# Altium PCB pcbfinal.PcbDoc (continued)
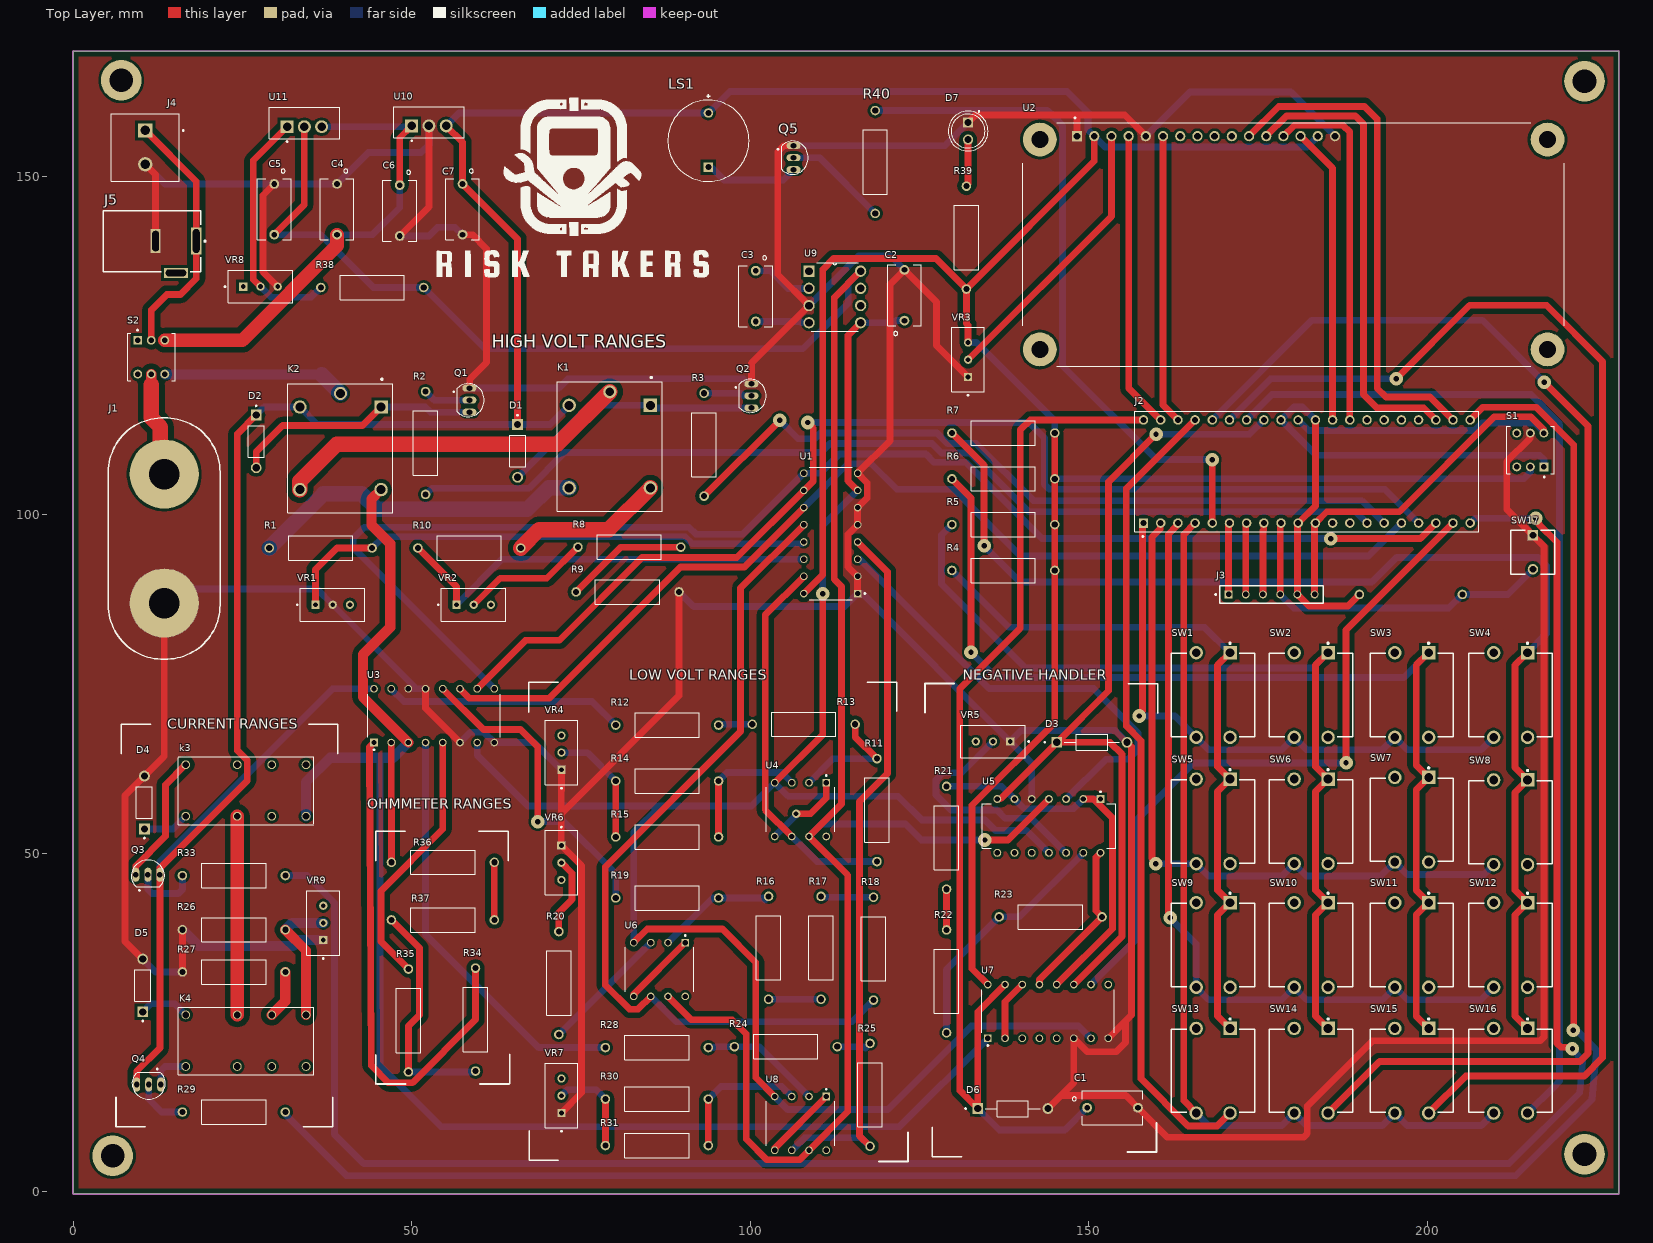
[diagram p0: Top Layer view]
## Footprints (in the part's own frame and the unit in brackets; to place one, negate y for a bottom-side part, rotate by r counter-clockwise, add the part's x,y. Pads: shape width x height; smd on the part's side, far side on the other; paste and mask are expansions set on the pad) (continued)
  oval 1.04x2.08 hole 0.84: 1(-1.778,0) 2(0,0) 3(1.778,0)
  silkscreen extent -2.48,-2.4 2.48,2.16, body extent -2.28,-1.55 2.28,2.28, height 20.44
TRIM_3296W1103LF [mm]
  rect 1.218x1.218 hole 0.71: 1(-2.54,0)
  round 1.218 hole 0.71: 2(0,0) 3(2.54,0)
  silkscreen extent -5.35,-2.41 4.76,2.42, body extent -4.76,-2.41 4.76,2.42, height 11.55
? [mm]
  round 10.206 hole 4.5 paste-2539.97 mask+0: 1(-9.525,0) 2(9.525,0)
  silkscreen extent -17.81,-8.26 17.81,8.26, body extent -17.88,-8.35 17.88,8.35, height 0.25

## Part data
C1 C2 C3 C4 C5 C6 C7: "Cap Ceramic 0.0033uF 250VAC E 20% (9 X 5mm) Radial 7.5mm 125Â°C Bulk", Package=None, Availability=Unavailable, MP=DE2E3KY332MA3BM02F, Price=None
D1 D2 D4 D5: "Diode Standard 1A 1000V 1Vf DO41", Package="DO-41 Diodes Inc.", Check_prices=https://www.snapeda.com/parts/1N4007-T/Diodes+Inc./view-part/?ref=eda, MF="Diodes Incorporated", MP=1N4007-T, SnapEDA_Link=https://www.snapeda.com/parts/1N4007-T/Diodes+Inc./view-part/?ref=snap
D3 D6: "Zener Diode 5.1 V 1 W Â±5% Through Hole DO-41", Package="DO-41 ON Semiconductor", Check_prices=https://www.snapeda.com/parts/1N4733A/Onsemi/view-part/?ref=eda, MF=onsemi, MP=1N4733A, SnapEDA_Link=https://www.snapeda.com/parts/1N4733A/Onsemi/view-part/?ref=snap
D7: "Red 617nm LED Indication - Discrete 2V Radial", Package="Radial Kingbright", Availability="In Stock", Check_prices=https://www.snapeda.com/parts/WP7113ID/Kingbright/view-part/?ref=eda, MF=Kingbright, MP=WP7113ID, Price=None, Purchase-URL=https://pricing.snapeda.com/search/part/WP7113ID/?ref=eda, SnapEDA_Link=https://www.snapeda.com/parts/WP7113ID/Kingbright/view-part/?ref=snap
J1: library part CMP-73906-000010-1_1, "CONN DBL BANANA JACK TURRET", Color=Red, Current Rating=15A, Package Quantity=5, Voltage Rating=2.5kV, Voltage Rating (DC)=70V, Body Material=PC, Contact Material=Brass, Contact Plating=Tin, Depth=16mm, Gender=Female, Height=0.375inch, Housing Color=Red, Housing Material=Polycarbonate, Insulation="Mating End Insulated", Insulation Material=Polycarbonate, Lead Free="Lead Free", Length=24inch, Max Current Rating=15A, Mount=Panel, Number of Contacts=2, Number of Ports=2, Orientation=Straight, Packaging=Bulk, REACH SVHC="No SVHC", RoHS Compliant=Yes, Termination=Solder, Weight=0.033lb, Width=4inch
J2: library part 3-1571552-2, "Row Spacing 2.54 mm Pitch Through Hole Dip Socket", Package=None, Availability=Unavailable, MP=3-1571552-2, Price=None
J3: "Conn Unshrouded Header HDR 6 POS 2.54mm Solder ST Thru-Hole Tube", Package=None, Availability="In Stock", Check_prices=https://www.snapeda.com/parts/TS-106-G-A-1/Samtec/view-part/?ref=eda, MF=Samtec, MP=TS-106-G-A-1, Price=None, Purchase-URL=https://pricing.snapeda.com/search/part/TS-106-G-A-1/?ref=eda, SnapEDA_Link=https://www.snapeda.com/parts/TS-106-G-A-1/Samtec/view-part/?ref=snap
J4: "TERMI-BLOK PCB MOUNT 2P", Package=None, Availability="In Stock", Check_prices=https://www.snapeda.com/parts/282856-2/TE+Connectivity+AMP+Connectors/view-part/?ref=eda, EU_RoHS_Compliance="Compliant with Exemptions", MF="TE Connectivity", MP=282856-2, Price=None, Purchase-URL=https://pricing.snapeda.com/search/part/282856-2/?ref=eda, SnapEDA_Link=https://www.snapeda.com/parts/282856-2/TE+Connectivity+AMP+Connectors/view-part/?ref=snap
J5: library part CMP-2000-06895-2, "Through Hole Right Angle DC Power Jack, 2.5 A, 2 mm Center Pin, 3 Position, -25 to 85 degC, RoHS, Bulk", Current Rating=2.5A, Flammability Rating=UL94V-0, Insulation Resistance=50MOhms, Manufacturer=CUIInc., Operating Temperature Range=-25Cto+85C, Package Description="3-Pin Through Hole Device, Body 14.4 x 9 mm, Height 11 mm", Voltage Rating=24V, Brand=CUI, Connector Type=DCPowerJack, Contact Gender=Male, Contact Material=Copper, Contact Plating=Nickel, Datasheet URL=http://www.cui.com/product/resource/pj-002a.pdf, Datasheet Version="Rev. 1.03, 04/2016", Factory Pack Quantity=500, Housing Material=PolybutyleneTerephthalate(PBT), Inside Contact Diameter=2mm, Manufacturer URL=http://www.cui.com/, Mounting Angle=Right, Mounting Style=ThroughHole, Mounting Technology=ThroughHole, Outside Contact Diameter=6.5mm, Package Reference=PJ-002A, Product=Jacks, Product Category=DCPowerConnectors, RoHS=True, Termination Style=ThroughHole
K1 K2: "5V Trigger Relay Module For Arduino And Raspberry Pi 5V Trigger Relay Module For Arduino And Raspberry Pi", Package="NON STANDARD-5 Songle Relay", Availability="Not in stock", Check_prices=https://www.snapeda.com/parts/SRD-05VDC-SL-C/Songle+Relay/view-part/?ref=eda, MF="Songle Relay", MP=SRD-05VDC-SL-C, Price=None, SnapEDA_Link=https://www.snapeda.com/parts/SRD-05VDC-SL-C/Songle+Relay/view-part/?ref=snap
k3 K4: "Relay-12V-5A/240VAC;", Package=None, Availability=Unavailable, MF=Helishun, MP=HLS-14F3L-DC12V-C, Price=None, SnapEDA_Link=https://www.snapeda.com/parts/HLS-14F3L-DC12V-C/Helishun/view-part/105888/?ref=snap
LS1: library part CMP-08413-000009-1, "AUDIO MAGNETIC XDCR 3-6V TH", Current Rating=60mA, Frequency=2.048kHz, Max Operating Temperature=85°C, Min Operating Temperature=-40°C, Operating Supply Voltage=5V, Package Quantity=100, Self Resonant Frequency=2.05kHz, Diameter=12mm, Height=9mm, Lead Free="Lead Free", Max Supply Current=60mA, Mount="Through Hole", Number of Pins=2, Number of Terminals/Pins=2, Operating Supply Current=60mA, Packaging=Tray, Sensing Method=Magnetic, Series=SD, Termination="PC Pins", Voltage Rating (DC)=5V, Washable=No
Q1 Q2 Q3 Q4 Q5: "TRANS NPN 40V 200MA TO92-3", Package="TO-226-3 Rectron", Availability="In Stock", Check_prices=https://www.snapeda.com/parts/2N3904/Rectron/view-part/?ref=eda, MF=Rectron, MP=2N3904, Price=None, Purchase-URL=https://pricing.snapeda.com/search/part/2N3904/?ref=eda, SnapEDA_Link=https://www.snapeda.com/parts/2N3904/Rectron/view-part/?ref=snap
R1 R2 R3 R8 R9 R10 R11 R12 R13 R14 R15 R16 R17 R18 R19 R20 R21 R22 R23 R24 R25 R26 R27 R28 R29 R30 R31 R32 R33 R34 R35 R36 R37 R38 R39 R40: "RES 280K OHM 1/4W 1% AXIAL", Package=None, Availability=Unavailable, MP=MFR-25DRE52-82R, Price=None
R4 R5 R6 R7: library part MFR-25DRE52-82R, "RES 280K OHM 1/4W 1% AXIAL", Package=None, Availability=Unavailable, MP=MFR-25DRE52-82R, Price=None
S1 S2: "Pushbutton Switch DPDT Standard Through Hole", Package=None, Availability="In Stock", Check_prices=https://www.snapeda.com/parts/TL2230EEF100/E-Switch/view-part/?ref=eda, MF=E-Switch, MP=TL2230EEF100, Price=None, Purchase-URL=https://pricing.snapeda.com/search/part/TL2230EEF100/?ref=eda, SnapEDA_Link=https://www.snapeda.com/parts/TL2230EEF100/E-Switch/view-part/?ref=snap
SW1 SW2 SW3 SW4 SW5 SW6 SW7 SW8 SW9 SW10 SW11 SW12 SW13 SW14 SW15 SW16: library part "push button", "SWITCH TACTILE SPST-NO 0.05A 24V", Color=Black, Contact Current Rating=50mA, Contact Resistance=100mR, Max Operating Temperature=85°C, Max Voltage Rating (DC)=12V, Min Operating Temperature=-40°C, Operating Force=160gf, Package Quantity=400, Voltage Rating (DC)=24V, Actuator Length=8.02mm, Actuator Material=Polyester, Contact Material="Copper Alloy", Contact Plating=Silver, Current Rating=50mA, Depth=12.5mm, Electrical Life=100000Cycles, ELV=Compliant, Height=3.99mm, Illumination Type=Non-Illuminated, Lead Free="Lead Free", Length=12.4mm, Max Current Rating=50mA, Mechanical Life=100000Cycles, Mount="Through Hole", Orientation=Straight, Packaging="Loose Piece", RoHS Compliant=Yes, Series="FSM100 ~ 104", Switch Function=Off-Mom, Switch Travel=0.3mm, Termination="PC Pin", Throw Configuration=SPST, Type=Switch, Width=12.4mm
SW17: library part CMP-03407-000038-1, "SWITCH TACTILE SPST-NO 0.05A 24V", Case/Package=Radial, Contact Current Rating=50mA, Contact Resistance=100mR, Max Operating Temperature=105°C, Max Voltage Rating (DC)=12V, Min Operating Temperature=-35°C, Operating Force=1.57N, Package Quantity=10000, Actuator Diameter=3.5mm, Actuator Length=0.055inch, Actuator Material=Resin, Actuator Type=Standard, Contact Material="Copper Alloy", Contact Plating=Silver, Current Rating=50mA, Depth=6.19mm, Electrical Life=100000Cycles, Illumination Type=Non-Illuminated, Length=6.19mm, Max Current Rating=50mA, Mechanical Life=100000Cycles, Mount="Through Hole", Orientation=Straight, Packaging="Tape and Reel", Radiation Hardening=No, RoHS Compliant=Yes, Series=FSMJRT, Switch Function=Off-Mom, Switch Travel=0.25mm, Termination="PC Pins", Throw Configuration=SPST, Type=Switch, Voltage Rating (DC)=12V
U1 U3: "20-V, 8:1, 1-channel analog multiplexer with logic-level conversion", Package="PDIP-16 Texas Instruments", Availability="In Stock", Check_prices=https://www.snapeda.com/parts/CD4051BE/Texas+Instruments/view-part/?ref=eda, MF="Texas Instruments", MP=CD4051BE, Price=None, Purchase-URL=https://pricing.snapeda.com/search/part/CD4051BE/?ref=eda, SnapEDA_Link=https://www.snapeda.com/parts/CD4051BE/Texas+Instruments/view-part/?ref=snap
U2: "Display; Display: LCD 2x16 characters (blue backlight)", Package=None, Availability=Unavailable, MP=LCD2X16, Price=None
U4 U6 U8: "General Purpose Amplifier 1 Circuit 8-PDIP", Package="DIP-8 Microsemi", Availability=Unavailable, MF="Texas Instruments", MP=LM741CN/NOPB, Price=None, SnapEDA_Link=https://www.snapeda.com/parts/LM741CN/NOPB/Texas%20Instruments/view-part/74633/?ref=snap
U5: "Quad general propÃ³sito 36V amplificador operacional 14-PDIP 0 a 70", Package="PDIP-14 Texas Instruments", Availability=Warning, Check_prices=https://www.snapeda.com/parts/LM348N/Texas%20Instruments/view-part/4791540/?ref=eda, MF="Texas Instruments", MP=LM348N, Price=None, Purchase-URL=https://pricing.snapeda.com/search/part/LM348N/?ref=eda, SnapEDA_Link=https://www.snapeda.com/parts/LM348N/Texas%20Instruments/view-part/4791540/?ref=snap
U7: "20-V, 2:1 (SPDT), 3-channel analog multiplexer with logic-level conversion 16-PDIP -55 to 125", Package="PDIP-16 Texas Instruments", Arrow_Electronics-Purchase-URL=https://snapeda.com/shop?store=Arrow+Electronics&id=336259, Availability=Good, BuyPart=https://www.snapeda.com/parts/CD4053BE/Texas%20Instruments/view-part/336259/?ref=eda, DigiKey-Purchase-URL=https://snapeda.com/shop?store=DigiKey&id=336259, MF="Texas Instruments", Mouser-Purchase-URL=https://snapeda.com/shop?store=Mouser&id=336259, MP=CD4053BE, Price=None, SnapEDA_Link=https://www.snapeda.com/parts/CD4053BE/Texas%20Instruments/view-part/336259/?ref=snap, Texas_Instruments-Purchase-URL=https://snapeda.com/shop?store=Texas+Instruments&id=336259
U9: "Charge Pump Switching Regulator IC Positive or Negative Fixed -Vin, 2Vin 1 Output 45mA 8-DIP (0.300, 7.62mm)", Package="DIP-8 Renesas / Intersil", Availability="In Stock", Check_prices=https://www.snapeda.com/parts/ICL7660SCPAZ/Renesas/view-part/?ref=eda, MF="Renesas Electronics America Inc", MP=ICL7660SCPAZ, Price=None, Purchase-URL=https://pricing.snapeda.com/search/part/ICL7660SCPAZ/?ref=eda, SnapEDA_Link=https://www.snapeda.com/parts/ICL7660SCPAZ/Renesas/view-part/?ref=snap
U10 U11: "Linear Voltage Regulator IC Positive Fixed 1 Output 1.5A TO-220", Package="TO-220-3 ON Semiconductor", Availability="In Stock", Check_prices=https://www.snapeda.com/parts/L7805CV/STMicroelectronics/view-part/?ref=eda, MF=STMicroelectronics, MP=L7805CV, Price=None, Purchase-URL=https://pricing.snapeda.com/search/part/L7805CV/?ref=eda, SnapEDA_Link=https://www.snapeda.com/parts/L7805CV/STMicroelectronics/view-part/?ref=snap
VR1 VR2 VR3 VR4 VR5 VR6 VR7 VR8 VR9: "Trimmer, Potentiometer 10kohm 25turn Thd", Package=None, Availability=Unavailable, Check_prices=https://www.snapeda.com/parts/3296W1103LF/Bourns/view-part/2487625/?ref=eda, MF=Bourns, MP=3296W1103LF, Price=None, SnapEDA_Link=https://www.snapeda.com/parts/3296W1103LF/Bourns/view-part/2487625/?ref=snap

## Free pads (board coordinates)
  round 6 hole 3.5 unplated: 1(5.842,5.334) 1(7.112,164.211) 1(223.266,5.588) 1(223.266,164.084)

## Via types
v1: diameter 2, hole 0.8, Top Layer to Bottom Layer, 19 vias
v2: diameter 1.27, hole 0.711, Top Layer to Bottom Layer, 1 vias

## Nets (pads, with @x,y where several pads share a name; then routed paths per layer and width w, separated by ;. In a path a pad name is that pad's centre, name@x,y a point inside that pad or via, vN(x,y) a via of type N, cw(c..) or ccw(c..) an arc to the next point about the centre after c; other vN are vias at no path point)
+Supply: C4.2 C6.1 S2.3 U10.1 U11.3 | length 69.9
  Top Layer w1: C6.1 48.26,155.722 U10.1
  Top Layer w2: S2.3 25.012,125.817 38.989,139.794 C4.2
  Bottom Layer w1: U11.3 49.891,157.353 U10.1 ; C4.2 44.256,141.411 48.26,145.415 C6.1
-VCC: C2.1 U1.7 U3.7 U4.4 U5.11 U6.4 U7.7 U8.4 U9.5 | length 293.2
  Top Layer w1: U6.4 84.811,38.837 95.91,38.837 100.838,33.909 100.838,16.891 U8.4 ; U4.4 110.744,67.564 v1(110.744,88.392) ; U1.7 114.478,105.044 114.478,126.543 U9.5
  Bottom Layer w1: U3.7 59.69,64.541 67.208,57.023 86.741,57.023 ; U6.4 82.804,53.086 86.741,57.023 ; U8.4 105.537,12.192 120.345,12.192 132.69,24.536 148.532,24.536 U7.7 ; v1(110.744,88.392) 110.744,98.486 U1.7 ; U9.5 121.292,128.397 121.606,128.711 C2.1 ; U5.11 140.853,53.391 136.271,53.391 134.722,54.94 125.374,54.94 121.858,58.457 105.627,58.457 U4.4 100.203,57.023 86.741,57.023
ADC: C1.1 D6.1 J2.40 U7.15 | length 162.7
  Top Layer w1: U7.15 133.631,26.603 D6.1 130.988,14.962 130.988,74.346 139.903,83.261 139.903,112.547 141.402,114.046 J2.40
  Bottom Layer w1: D6.1 136.806,9.144 146.491,9.144 C1.1
BUZZ: J2.5 R40.2 | length 101.3
  Top Layer w1: J2.5 v1(168.275,108.179)
  Bottom Layer w1: R40.2 143.911,159.746 146.152,157.505 146.152,122.047 160.02,108.179 v1(168.275,108.179)
COL1: J2.37 SW13.2 | length 119.3
  Top Layer w1: J2.37 155.585,103.896 155.585,68.809 157.737,66.657 157.737,16.736 164.719,9.754 168.999,9.754 SW13.2
COL2: J2.36 SW14.2 | length 202.8
  Top Layer w1: SW14.2 193.007,19.284 222.575,19.284 223.774,20.482 223.774,113.157 v1(217.297,119.634)
  Bottom Layer w1: J2.36 183.007,128.778 208.153,128.778 v1(217.297,119.634)
COL3: J2.35 SW15.2 | length 197.5
  Top Layer w1: v1(195.428,120.117) 206.299,130.988 217.627,130.988 225.933,122.682 225.933,19.841 223.237,17.145 205.727,17.145 SW15.2
  Bottom Layer w1: J2.35 176.886,120.117 v1(195.428,120.117)
COL4: J2.34 SW16.2 | length 153.3
  Bottom Layer w1: J2.34 177.089,117.78 215.341,117.78 219.29,113.831 cw(c218.583,113.124) 219.583,113.124 219.583,17.609 219.583,16.396 218.725,15.538 SW16.2
COMP: D3.1 J2.33 U5.7 U7.11 | length 128
  Top Layer w1: U5.7 136.558,58.072 136.966,58.072 D3.1 ; U7.11 154.933,37.745 154.933,64.675 153.187,66.421 D3.1 ; v1(159.969,111.938) 152.933,104.902 152.933,74.039 D3.1
  Bottom Layer w1: v1(159.969,111.938) 173.787,111.938 J2.33
E: J2.38 U2.6 | length 42.8
  Top Layer w1: U2.6 161.005,116.236 J2.38
GND: C1.2 C2.2 C4.1 C5.1 C6.2 C7.2 D3.2 D4.A D5.A D6.2 D7.C J1.2 J4.2 J5.2 Q1.1 Q2.1 Q5.1 R9.2 R26.1 R27.1 S1.5 SW17.1 U1.1 U1.2 U1.5 U1.6 U1.8 U2.1 U2.5 U2.16 U3.6 U3.8 U3.13 U3.14 U5.5 U7.6 U7.8 U9.3 U10.2 VR1.2 VR3.1 VR4.1 VR5.1 VR6.1 VR7.1 VR8.3 VR9.1 | length 992.1
  Top Layer w1: D5.A 7.685,37.019 7.685,58.58 D4.A 13.462,64.356 J1.2 ; J4.2 12.192,150.281 J5.2 ; R27.1 R26.1 ; C5.1 28.042,147.235 28.042,135.915 VR8.3 ; C6.2 52.568,145.525 U10.2 ; U3.13 52.07,71.468 U3.6 ; C7.2 58.995,141.411 61.087,139.319 61.087,122.555 58.6,120.068 58.6,118.763 58.582,118.745 Q1.1 ; VR7.1 75.108,14.656 75.108,48.199 VR6.1 72.126,55.921 ; VR4.1 72.126,55.921 ; R9.2 89.515,73.31 72.126,55.921 ; Q2.1 100.203,122.428 U9.3 104.089,135.56 104.089,153.619 105.029,154.559 Q5.1 ; U1.1 U1.2 114.478,92.344 114.478,97.14 U1.5 U1.6 117.297,102.499 117.297,104.765 U1.8 120.675,110.957 120.675,134.077 C2.2 127.559,131.461 127.559,125.044 VR3.1 ; D7.C 133.299,159.08 148.082,159.08 ; D6.2 145.91,14.237 ; U2.1 148.305,158.857 148.082,159.08 ; U7.8 155.448,25.24 ; D3.2 156.337,65.759 156.337,26.129 155.448,25.24 ; U2.5 155.345,159.08 148.082,159.08 ; S1.5 215.206,112.042 215.206,111.32 211.76,107.874 211.76,100.876 SW17.1 217.272,95.364 217.272,22.912 216.686,22.327 191.922,22.327 182.321,12.725 182.321,8.663 181.735,8.077 161.662,8.077 C1.2 155.502,14.237 145.91,14.237 ; 145.91,14.237 147.828,16.156 U7.6 149.827,20.701 154.051,20.701 155.448,22.098 155.448,25.24
  Bottom Layer w1: D5.A 12.192,32.512 R27.1 ; J4.2 13.562,148.911 C5.1 34.341,148.911 C4.1 43.611,153.533 51.425,153.533 52.568,154.676 U10.2 ; J1.2 13.462,89.078 36.017,89.078 VR1.2 50.767,74.328 ; C6.2 52.571,141.217 53.848,142.494 56.448,142.494 C7.2 ; U3.14 50.767,74.328 ; U3.13 50.767,74.328 ; U3.6 58.656,67.894 60.724,67.894 U3.8 68.105,66.388 VR4.1 ; Q1.1 71.755,118.745 73.127,120.117 99.077,120.117 99.077,119.997 99.694,119.38 Q2.1 ; R9.2 91.669,86.492 113.99,86.492 U1.1 116.586,88.392 VR5.1 ; Q5.1 128.778,154.559 D7.C ; U9.3 116.078,138.303 120.717,138.303 C2.2 ; U5.5 141.605,63.373 VR5.1 ; D3.2 153.948,68.148 140.03,68.148 VR5.1 ; U2.5 164.989,162.484 179.881,162.484 U2.16
  Bottom Layer w1.5: R26.1 18.562,36.322 32.512,36.322 33.401,37.211 VR9.1
GREEN: J4.1 J5.1 S2.2 | length 38.1
  Top Layer w1: J4.1 18.192,149.281 J5.1 18.192,134.905 15.875,132.588 13.843,132.588 11.557,130.302 S2.2@11.557,125.73
inBuff: U1.3 U5.3 | length 68.1
  Bottom Layer w1: U1.3 115.915,93.447 116.23,93.447 135.324,74.353 150.753,74.353 157.302,67.803 157.302,65.38 155.829,63.906 152.552,63.906 U5.3
JACK: J1.1 S2.5 | length 15.6
  Top Layer w1.5: 11.557,119.253 S2.5
  Top Layer w2.286: 11.557,119.253 11.557,114.337 12.908,112.985 12.908,106.599 J1.1
LCD_P4: J2.22 U2.11 | length 74.4
  Top Layer w1: U2.11 178.101,160.356 190.773,160.356 192.634,158.496 192.634,118.72 193.929,117.424 200.457,117.424 J2.22
LCD_P5: J2.23 U2.12 | length 68.3
  Top Layer w1: U2.12 179.241,158.956 189.405,158.956 190.627,157.734 190.627,117.78 192.583,115.824 199.517,115.824 J2.23
LCD_P6: J2.28 U2.13 | length 53.4
  Top Layer w1: U2.13 180.381,157.556 187.614,157.556 188.595,156.575 J2.28
LCD_P7: J2.29 U2.14 | length 43.9
  Top Layer w1: U2.14 186.055,151.23 J2.29
mcu_gnd: J2.11 J2.31 J3.06 S1.4 | length 90.2
  Top Layer w1: J3.06 183.388,98.572 183.515,98.699 J2.11 185.191,100.482 195.91,100.482 209.956,114.529 215.29,114.529 217.206,112.613 217.206,112.16 S1.4
  Bottom Layer w1: J2.31 182.524,112.497 207.035,112.497 208.128,113.589 215.951,113.589 217.111,112.429 217.111,112.338 217.265,112.184 S1.4
mcu_v: J2.10 J2.30 J2.32 J3.05 R32.2 S1.1 | length 86.5
  Top Layer w1: J2.30 183.515,101.346 J2.10 180.848,98.679 J3.05 182.55,86.563 188.31,86.563 R32.2
  Bottom Layer w1: J2.30 181.61,115.951 180.34,115.951 J2.32 183.667,108.814 216.637,108.814 217.265,108.185 S1.1
MISO: J2.7 J3.02 | length 10.6
  Top Layer w1: J3.02 173.228,98.679 J2.7
MOSI: J2.6 J3.01 | length 10.6
  Top Layer w1: J3.01 170.688,98.679 J2.6
NetC3_1: C3.1 U9.2 | length 9
  Bottom Layer w1: C3.1 102.981,136.084 105.588,133.477 U9.2
NetC3_2: C3.2 U9.4 | length 8
  Bottom Layer w1: C3.2 107.373,128.584 107.56,128.397 U9.4
NetD1_A: D1.A K1.A1 Q2.3 | length 39.1
  Bottom Layer w1: D1.A 76.294,116.205 K1.A1 85.66,115.824 Q2.3
NetD2_A: D2.A K2.A1 Q1.3 | length 36.9
  Top Layer w1: D2.A 27.051,109.296 30.963,113.208 42.75,113.208 K2.A1
  Bottom Layer w1: K2.A1 52.019,115.955 52.785,115.189 Q1.3
NetD4_K: D4.K k3.5 | length 6.9
  Bottom Layer w1: D4.K 14.765,53.627 k3.5
NetD5_K: D5.K K4.4 | length 7.5
  Bottom Layer w1: D5.K 11.492,27.813 14.986,27.813 K4.4
NetD7_A: D7.A R39.1 | length 7
  Top Layer w1: R39.1 131.953,148.68 132.207,148.934 D7.A
NetK1_COM: K1.COM K2.NO | length 52.5
  Top Layer w2.286: K2.NO 33.497,104.998 38.964,110.465 71.539,110.465 K1.COM
Netk3_4: k3.4 Q3.1 | length 19.3
  Top Layer w1: Q3.1 9.271,48.158 13.665,52.553 13.665,60.147 k3.4
Netk3_6: k3.6 K4.3 | length 29.3
  Top Layer w2: K4.3 k3.6
NetK4_1: K4.1 R26.2 VR9.2 | length 19.9
  Top Layer w1.5: R26.2 34.417,35.667 K4.1
  Bottom Layer w1.5: R26.2 32.365,39.751 VR9.2
NetK4_2: K4.2 R27.2 | length 7.2
  Top Layer w1.5: K4.2 31.349,28.174 R27.2
NetK4_5: K4.5 Q4.1 | length 6
  Bottom Layer w1: Q4.1 12.954,17.907 13.589,18.542 K4.5
NetLS1_1: LS1.1 Q5.3 | length 14.3
  Bottom Layer w1: LS1.1 94.053,151.184 94.458,151.184 96.163,149.479 104.902,149.479 105.898,150.475 105.898,150.985 105.917,151.003 Q5.3
NetQ1_2: Q1.2 R2.1 | length 7
  Bottom Layer w1: R2.1 53.34,116.967 Q1.2
NetQ2_2: Q2.2 R3.1 | length 7.1
  Bottom Layer w1: R3.1 98.679,117.983 99.052,117.61 100.195,117.61 Q2.2
NetQ3_2: Q3.2 R33.2 | length 9.8
  Bottom Layer w1: Q3.2 11.049,44.688 11.635,44.102 15.563,44.102 16.149,44.688 R33.2
NetQ4_2: Q4.2 R29.1 | length 7.9
  Bottom Layer w1: Q4.2 11.176,13.716 13.081,11.811 R29.1
NetQ5_2: Q5.2 R40.1 | length 15.5
  Bottom Layer w1: Q5.2 110.256,152.781 R40.1
NetR4_1: R4.1 SW1.1 SW5.1 SW9.1 SW13.1 | length 106.2
  Top Layer w1: SW13.1 169.062,25.997 169.062,40.902 SW9.1 169.062,44.581 169.062,59.147 SW5.1 169.062,62.827 169.062,77.816 SW1.1
  Bottom Layer w1: R4.1 138.221,83.414 167.144,83.414 SW1.1
NetR5_1: R5.1 SW2.1 SW6.1 SW10.1 SW14.1 | length 132.7
  Top Layer w1: SW14.1 183.54,25.997 183.54,40.902 SW10.1 183.54,44.581 183.54,59.147 SW6.1 183.54,62.827 183.54,77.816 SW2.1
  Bottom Layer w1: R5.1 128.27,97.04 128.27,89.789 140.665,77.394 183.118,77.394 SW2.1
NetR6_1: R6.1 SW3.1 SW7.1 SW11.1 SW15.1 | length 157.5
  Top Layer w1: R6.1 132.636,102.524 v1(132.636,79.728) ; SW15.1 198.399,25.997 198.399,40.902 SW11.1 198.399,44.581 198.399,59.401 SW7.1 198.399,63.081 198.399,77.816 SW3.1
  Bottom Layer w1: v1(132.636,79.728) 136.37,75.994 196.577,75.994 SW3.1
NetR7_1: R7.1 SW4.1 SW8.1 SW12.1 SW16.1 | length 180
  Top Layer w1: R7.1 134.569,107.354 v1(134.569,95.428) ; SW16.1 213.004,25.997 213.004,40.902 SW12.1 213.004,44.581 213.004,59.02 SW8.1 213.004,62.7 213.004,77.816 SW4.1
  Bottom Layer w1: v1(134.569,95.428) 139.903,90.094 191.846,90.094 195.478,93.726 216.408,93.726 217.678,92.456 217.678,82.49 SW4.1
NetR8_1: R8.1 VR2.2 | length 18.9
  Top Layer w1: VR2.2 63.094,90.653 69.972,90.653 R8.1
NetR8_2: R8.2 R9.1 | length 18.2
  Top Layer w1: R9.1 80.919,95.25 R8.2
NetR11_1: R11.1 R13.2 U4.2 | length 17.9
  Top Layer w1: R13.2 115.53,67.223 R11.1
  Bottom Layer w1: U4.2 112.268,64.008 R11.1
NetR12_2: R12.2 R13.1 | length 5
  Bottom Layer w1: R12.2 95.435,69.039 95.724,69.039 95.772,69.088 R13.1
NetR14_1: R14.1 R15.1 VR4.2 | length 18
  Top Layer w1: R15.1 R14.1
  Bottom Layer w1: VR4.2 75.966,64.897 R14.1
NetR14_2: R14.2 R15.2 U4.3 | length 20.2
  Top Layer w1: R15.2 R14.2
  Bottom Layer w1: R14.2 96.602,61.951 104.673,61.951 U4.3
NetR16_1: R16.1 R19.2 U6.2 | length 18
  Bottom Layer w1: U6.2 94.488,43.434 R19.2 101.879,43.434 102.194,43.119 R16.1
NetR16_2: R16.2 R17.1 | length 7.7
  Bottom Layer w1: R16.2 R17.1
NetR17_2: R17.2 R18.1 | length 7.8
  Bottom Layer w1: R17.2 110.568,43.59 110.857,43.59 110.905,43.541 R18.1
NetR20_1: R20.1 VR6.2 | length 11.6
  Top Layer w1: R20.1 71.755,41.3 73.685,43.231 73.685,47.082 VR6.2
NetR20_2: R20.2 U6.3 | length 19.2
  Bottom Layer w1: R20.2 74.732,26.238 74.752,26.238 U6.3
NetR21_2: R21.2 R22.1 | length 6
  Top Layer w1: R22.1 R21.2
NetR22_2: R22.2 R23.1 U5.13 | length 36.7
  Bottom Layer w1: R22.2 129.032,32.873 R23.1 139.766,40.64 U5.13
NetR24_1: R24.1 R28.2 U8.2 | length 18
  Bottom Layer w1: R28.2 94.691,21.336 94.818,21.463 R24.1 101.346,21.463 U8.2
NetR24_2: R24.2 R25.1 | length 5.2
  Bottom Layer w1: R24.2 116.865,21.463 117.053,21.275 R25.1
NetR30_1: R30.1 R31.1 VR7.2 | length 14.3
  Top Layer w1: R31.1 R30.1
  Bottom Layer w1: VR7.2 73.025,15.113 77.236,15.113 R30.1
NetR30_2: R30.2 R31.2 U8.3 | length 20.6
  Top Layer w1: R31.2 R30.2
  Bottom Layer w1: R30.2 95.713,15.596 104.673,15.596 U8.3
NetR36_2: R36.2 R37.1 | length 8.5
  Top Layer w1: R37.1 R36.2
NetR38_2: R38.2 U11.1 VR8.2 | length 36.3
  Top Layer w1: VR8.2 26.619,134.798 26.619,152.359 U11.1
  Bottom Layer w1: VR8.2 29.235,132.182 35.174,132.182 R38.2
NetU2_3: U2.3 VR3.2 | length 41.8
  Top Layer w1: VR3.2 153.385,144.114 U2.3
NetU4_1: U4.1 U4.5 | length 12.1
  Top Layer w1: v2(106.807,55.88) 108.966,55.88 111.252,58.166 U4.1
  Bottom Layer w1: U4.5 106.746,55.626 v2@106.807,55.626
NetU5_12: U5.12 VR5.2 | length 35.7
  Bottom Layer w1: VR5.2 131.267,61.925 128.524,61.925 127.483,60.884 127.483,58.649 129.692,56.439 136.449,56.439 137.693,55.194 141.59,55.194 U5.12
NetU6_1: U6.1 U6.5 | length 11.1
  Top Layer w1: U6.5 82.829,28.915 82.829,29.235 U6.1
NetU7_2: U7.2 U7.14 | length 9
  Top Layer w1: U7.2 137.668,28.1 U7.14
NetU8_1: U8.1 U8.5 | length 11.1
  Top Layer w1: U8.5 103.657,6.182 103.657,6.502 U8.1
nvolt: R23.2 U5.14 U7.13 | length 23.9
  Top Layer w1: U7.13 142.748,31.389 R23.2 151.096,41.543 151.096,49.43 U5.14
O1IN: R34.1 U3.1 | length 75.9
  Top Layer w1: U3.1 43.777,65.715 44.053,18.685 46.609,16.129 50.114,16.129 59.448,25.463 R34.1
O2IN: R35.1 U3.5 | length 38.9
  Top Layer w1: R35.1 45.466,37.009 45.466,44.45 54.61,53.594 U3.5
O3IN: R36.1 U3.2 | length 17.7
  Top Layer w1: U3.2 46.99,57.537 47.022,57.506 R36.1
ohmCircuit: R34.2 R35.2 R37.2 | length 34.8
  Top Layer w1: R37.2 51.181,36.033 51.181,26.15 49.542,24.511 R35.2
  Bottom Layer w1: R35.2 59.032,17.733 59.081,17.782 59.37,17.782 R34.2
outBuff: R21.1 U5.1 U5.2 U5.6 U7.12 | length 58.2
  Top Layer w1: U7.12 153.533,38.885 153.533,55.255 150.749,58.039 U5.2
  Bottom Layer w1: R21.1 137.18,59.924 U5.6 140.487,56.617 147.803,56.617 U5.2 U5.1
Pjack: K2.NC k3.8 U3.3 U7.1 | length 210.6
  Top Layer w1.5: K2.NC 44.069,102.327 44.069,98.539 46.863,95.745 46.863,83.408 42.805,79.35 42.805,73.113 U3.3
  Bottom Layer w1: 45.339,64.135 45.339,18.669 54.356,9.652 122.08,9.652 U7.1
  Bottom Layer w1.5: k3.8 34.417,60.579 37.973,64.135 45.339,64.135 47.277,64.135 U3.3
PJackC: K2.COM S2.6 | length 27.1
  Bottom Layer w1.5: S2.6@13.557,120.73 36.722,120.73
  Bottom Layer w2.286: 36.722,120.73 K2.COM
RESET: J2.9 J3.04 R32.1 SW17.2 | length 51.1
  Top Layer w1: J3.04 178.308,98.572 178.435,98.699 J2.9
  Bottom Layer w1: J3.04 180.315,86.258 203.205,86.258 R32.1 211.925,88.265 SW17.2
ROW1: J2.1 SW1.4 SW2.4 SW3.4 SW4.4 | length 87
  Top Layer w1: v1(157.485,70.307) 157.485,70.578 157.985,71.078 157.985,98.676 J2.1
  Bottom Layer w1: v1(157.485,70.307) 162.751,70.307 SW1.4 167.729,65.329 178.553,65.329 SW2.4 182.207,65.329 193.412,65.329 SW3.4 197.066,65.329 208.017,65.329 SW4.4
ROW2: J2.2 SW5.4 SW6.4 SW7.4 SW8.4 | length 105.5
  Top Layer w1: v1(159.898,48.487) 159.898,48.758 159.385,49.271 159.385,96.722 160.579,97.916 160.579,98.73 J2.2
  Bottom Layer w1: v1(159.898,48.487) SW5.4 167.729,46.66 178.553,46.66 SW6.4 182.207,46.66 193.158,46.66 SW7.4 197.066,46.914 208.398,46.914 SW8.4
ROW3: J2.3 SW9.4 SW10.4 SW11.4 SW12.4 | length 119.4
  Top Layer w1: v1(162.052,40.488) 162.052,40.758 161.798,41.012 161.798,97.155 162.997,98.354 162.997,98.5 163.195,98.699 J2.3
  Bottom Layer w1: v1(162.052,40.488) 165.902,36.638 SW9.4 167.746,28.397 178.536,28.397 SW10.4 182.224,28.397 193.395,28.397 SW11.4 197.083,28.397 208,28.397 SW12.4
ROW4: J2.4 SW13.4 SW14.4 SW15.4 SW16.4 | length 137.1
  Top Layer w1: J2.4 164.077,97.148 164.077,13.482 SW13.4
  Bottom Layer w1: SW13.4 167.729,9.83 178.553,9.83 SW14.4 182.207,9.83 193.412,9.83 SW15.4 197.066,9.83 208.017,9.83 SW16.4
RS: J2.39 U2.4 | length 43.9
  Top Layer w1: U2.4 155.925,118.776 J2.39
SCK: J2.8 J3.03 | length 10.6
  Top Layer w1: J3.03 175.768,97.688 175.895,97.815 J2.8
SEL0: J2.14 R2.2 | length 147
  Bottom Layer w1: R2.2 52.977,103.944 67.318,103.944 72.593,109.22 110.469,109.22 111.809,110.56 126.88,110.56 128.264,109.175 132.517,109.175 141.222,100.471 189.47,100.471 J2.14
SEL1: J2.15 R3.2 | length 112.1
  Top Layer w1: R3.2 v1(104.402,113.967)
  Bottom Layer w1: v1(104.402,113.967) 107.117,111.252 109.55,111.252 110.414,112.116 127.619,112.116 129.159,110.575 133.392,110.575 141.849,102.118 190.363,102.118 J2.15
SEL2: J2.16 U1.11 U3.11 | length 161.6
  Top Layer w1: U3.11 58.555,72.923 70.333,72.923 89.725,92.316 99.174,92.316 U1.11
  Bottom Layer w1: U1.11 114.427,107.569 117.907,107.569 121.666,103.81 130.073,103.81 139.929,93.955 191.364,93.955 J2.16
SEL3: J2.17 U1.10 U3.10 | length 171.8
  Top Layer w1: U3.10 66.845,81.483 71.816,81.483 84.049,93.716 98.034,93.716 U1.10 109.345,105.027 109.345,112.829 v1(108.509,113.665)
  Bottom Layer w1: v1(108.509,113.665) 141.199,113.665 143.48,111.384 143.48,104.521 144.188,103.812 193.749,103.812 J2.17
SEL4: J2.18 U1.9 U3.9 | length 202.9
  Top Layer w1: v1(185.75,96.52) 199.009,96.52 J2.18
  Bottom Layer w1: U3.9 41.402,95.156 41.402,96.584 43.002,98.184 90.984,98.184 91.999,97.169 98.947,97.169 U1.9 110.389,106.172 113.209,108.991 125.959,108.991 127.175,107.775 131.874,107.775 143.129,96.52 v1(185.75,96.52)
SEL5: J2.19 U7.10 | length 103.5
  Top Layer w1: v1(188.036,63.373) 188.036,83.007 J2.19
  Bottom Layer w1: U7.10 156.87,37.142 156.87,54.737 165.506,63.373 v1(188.036,63.373)
SEL6: J2.20 R33.1 | length 331.7
  Top Layer w1: v1(216.052,99.517) 216.052,99.247 216.552,98.747 216.552,98.621 219.202,95.972 219.202,21.961 219.788,21.375 221.292,21.375 v1(221.483,21.184)
  Bottom Layer w1: R33.1 34.547,46.736 37.553,43.73 38.607,42.676 38.607,8.51 42.926,4.191 212.09,4.191 222.554,14.655 223.015,19.316 v1(221.483,21.184) ; J2.20 207.086,99.517 v1(216.052,99.517)
SeL7: J2.21 R29.2 | length 318.6
  Top Layer w1: J2.21 208.258,115.929 216.099,115.929 221.674,110.353 221.674,23.94 v1(221.61,23.876)
  Bottom Layer w1: R29.2 31.427,11.733 31.427,11.372 40.386,2.413 213.106,2.413 224.352,13.659 224.979,20.51 224.979,21.02 222.314,23.685 221.801,23.685 v1(221.61,23.876)
V1IN_G5: R19.1 U3.12 | length 46.9
  Top Layer w1: U3.12 60.612,68.326 66.091,68.326 68.631,65.786 v1(68.631,54.712)
  Bottom Layer w1: v1(68.631,54.712) 72.466,54.712 80.157,47.021 R19.1
V1IN_G20: R28.1 U3.4 | length 61.8
  Bottom Layer w1: U3.4 52.07,38.024 68.758,21.336 R28.1
V1IO_G5: R18.2 U1.12 U6.6 | length 124.9
  Top Layer w1: U6.6 83.454,27 82.169,27 78.613,30.556 78.613,48.031 98.603,68.021 98.603,89.205 U1.12
  Bottom Layer w1: U6.6 89.088,25.146 115.042,25.146 R18.2
V1IO_G20: R25.2 U1.4 U8.6 | length 106.3
  Top Layer w1: U1.4 120.294,91.608 120.294,61.798 116.18,57.683 116.18,8.3 R25.2
  Bottom Layer w1: U8.6 106.207,6.157 108.051,8.001 116.369,8.001 117.619,6.751 R25.2
V2IN: R12.1 U3.15 | length 35.4
  Bottom Layer w1: U3.15 48.877,72.441 76.677,72.441 R12.1
V2OUT: R11.2 U1.15 U4.6 | length 56.5
  Top Layer w1: U4.6 102.232,56.452 102.232,85.214 U1.15
  Bottom Layer w1: U4.6 109.876,48.808 R11.2
V3IN: K1.NC R10.1 | length 22.8
  Top Layer w2.286: R10.1 68.845,97.841 79.115,97.841 K1.NC
V3OUT: R10.2 U1.14 VR2.1 | length 64.8
  Top Layer w1: R10.2 56.642,89.408 VR2.1
  Bottom Layer w1: VR2.1 63.373,93.472 U1.14
V4IN: K1.NO R1.1 | length 49.9
  Bottom Layer w2.286: R1.1 36.977,103.124 42.645,103.124 44.909,100.86 67.122,100.86 70.267,104.005 K1.NO
V4OUT: R1.2 U1.13 VR1.1 | length 79.9
  Top Layer w1: VR1.1 35.814,91.948 38.989,95.123 R1.2
  Bottom Layer w1: R1.2 45.837,96.784 90.404,96.784 91.419,95.769 107.672,95.769 107.915,96.012 U1.13
VDD: C7.1 D1.K D2.K K1.A2 K2.A2 LS1.2 Q3.3 Q4.3 R4.2 R5.2 R6.2 R7.2 R39.2 S1.2 U1.16 U2.2 U2.15 U3.16 U7.16 U10.3 VR3.3 | length 674.9
  Top Layer w1: Q4.3 9.398,17.831 12.827,21.26 Q3.3 12.835,46.871 12.835,47.887 25.737,60.789 25.737,63.732 24.257,65.212 24.257,111.981 D2.K ; U10.3 57.531,155.067 C7.1 65.659,140.783 D1.K ; U1.16 110.745,91.187 110.745,136.272 112.344,137.871 127.452,137.871 R39.2 ; VR3.3 132.207,128.022 131.953,128.276 R39.2 ; U7.16 132.79,32.978 132.79,57.123 145.014,69.347 R4.2 R5.2 R6.2 R7.2 ; U2.2 150.845,152.262 R39.2
  Bottom Layer w1: Q3.3 12.827,48.819 38.336,74.328 U3.16 ; D2.K 28.231,115.955 K2.A2 36.074,113.378 D1.K 70.452,113.378 K1.A2 ; U10.3 57.022,159.384 LS1.2 97.029,162.56 146.812,162.56 149.911,159.461 149.911,156.894 U2.2 152.449,154.356 182.261,154.356 U2.15 ; VR3.3 133.432,125.476 145.014,113.894 R7.2 ; R6.2 214.262,105.346 215.265,106.35 S1.2
VDD2: C5.2 R38.1 U4.7 U5.4 U6.7 U8.7 U9.8 U11.2 | length 336.7
  Top Layer w1: C5.2 34.163,145.856 U11.2 ; U6.7 91.349,25.425 97.358,25.425 99.438,23.346 99.438,7.801 102.489,4.75 107.305,4.75 U8.7 114.427,11.872 114.427,46.797 U4.7 113.513,57.313 113.513,89.428 112.446,90.495 112.446,132.131 U9.8 ; v1(134.696,51.994) 138.1,51.994 U5.4
  Bottom Layer w1: C5.2 36.551,141.411 44.358,133.604 R38.1 60.838,124.562 107.798,124.562 114.5,131.264 114.5,134.185 U9.8 ; U4.7 110.556,54.356 122.936,54.356 125.298,51.994 v1(134.696,51.994)
pads on no net: J2.12 J2.13 J2.24 J2.25 J2.26 J2.27 J5.3 k3.1 k3.2 k3.3 k3.7 K4.6 K4.7 K4.8 S1.3 S1.6 S2.1 S2.4 SW1.2 SW1.3 SW2.2 SW2.3 SW3.2 SW3.3 SW4.2 SW4.3 SW5.2 SW5.3 SW6.2 SW6.3 SW7.2 SW7.3 SW8.2 SW8.3 SW9.2 SW9.3 SW10.2 SW10.3 SW11.2 SW11.3 SW12.2 SW12.3 SW13.3 SW14.3 SW15.3 SW16.3 U2.7 U2.8 U2.9 U2.10 U2.S1 U2.S2 U2.S3 U2.S4 U4.8 U5.8 U5.9 U5.10 U6.8 U7.3 U7.4 U7.5 U7.9 U8.8 U9.1 U9.6 U9.7 VR1.3 VR2.3 VR4.3 VR5.3 VR6.3 VR7.3 VR8.1 VR9.3

## Polygon pours and split planes (outlines as drawn)
GND on Bottom Layer "GND_L02_P000" (solid, pour order 0): -0.381,168.529 -0.381,-0.254 227.965,-0.254 227.965,168.529
GND on Top Layer "GND_L01_P001" (solid, pour order 1): 0.127,168.529 228.473,168.529 228.473,-0.254 0.127,-0.254

## Keep-outs
Keep-Out Layer:
  lines w0.127: 226.314,-0.318 0,-0.318 ; 226.314,168.593 0,168.593 ; -0.064,-0.254 ccw(c0,-0.254) 0,-0.318 ; -0.064,-0.254 ccw(c0,-0.254) 0,-0.318 ; -0.064,-0.254 ccw(c0,-0.254) 0,-0.318 ; -0.064,-0.254 ccw(c0,-0.254) 0,-0.318 ; -0.064,-0.254 -0.064,168.529 ; -0.064,-0.254 -0.064,168.529 ; -0.064,168.529 cw(c0,168.529) 0,168.593 ; -0.064,168.529 cw(c0,168.529) 0,168.593 ; -0.064,168.529 cw(c0,168.529) 0,168.593 ; -0.064,168.529 cw(c0,168.529) 0,168.593 ; 0,-0.318 228.346,-0.318 ; 0,168.593 228.346,168.593 ; 228.346,-0.318 ccw(c228.346,-0.254) 228.41,-0.254 ; 228.346,-0.318 ccw(c228.346,-0.254) 228.41,-0.254 ; 228.346,168.593 cw(c228.346,168.529) 228.41,168.529 ; 228.346,168.593 cw(c228.346,168.529) 228.41,168.529 ; 228.41,-0.254 228.41,168.529

## Silkscreen, mask and mechanical layers (free items; w line width, h text height)
Top Overlay:
  drawing of 49 lines, arcs and shapes, not listed
  text "HIGH VOLT RANGES" at 61.849,124.714 h1.9
  text "LOW VOLT RANGES" at 82.169,75.692 h1.52
  text "NEGATIVE HANDLER" at 131.445,75.692 h1.52
  text "CURRENT RANGES" at 13.919,68.402 h1.52
  text "OHMMETER RANGES" at 43.434,56.642 h1.52